# Allegro board meta_module_lay_rev1.brd (continued)
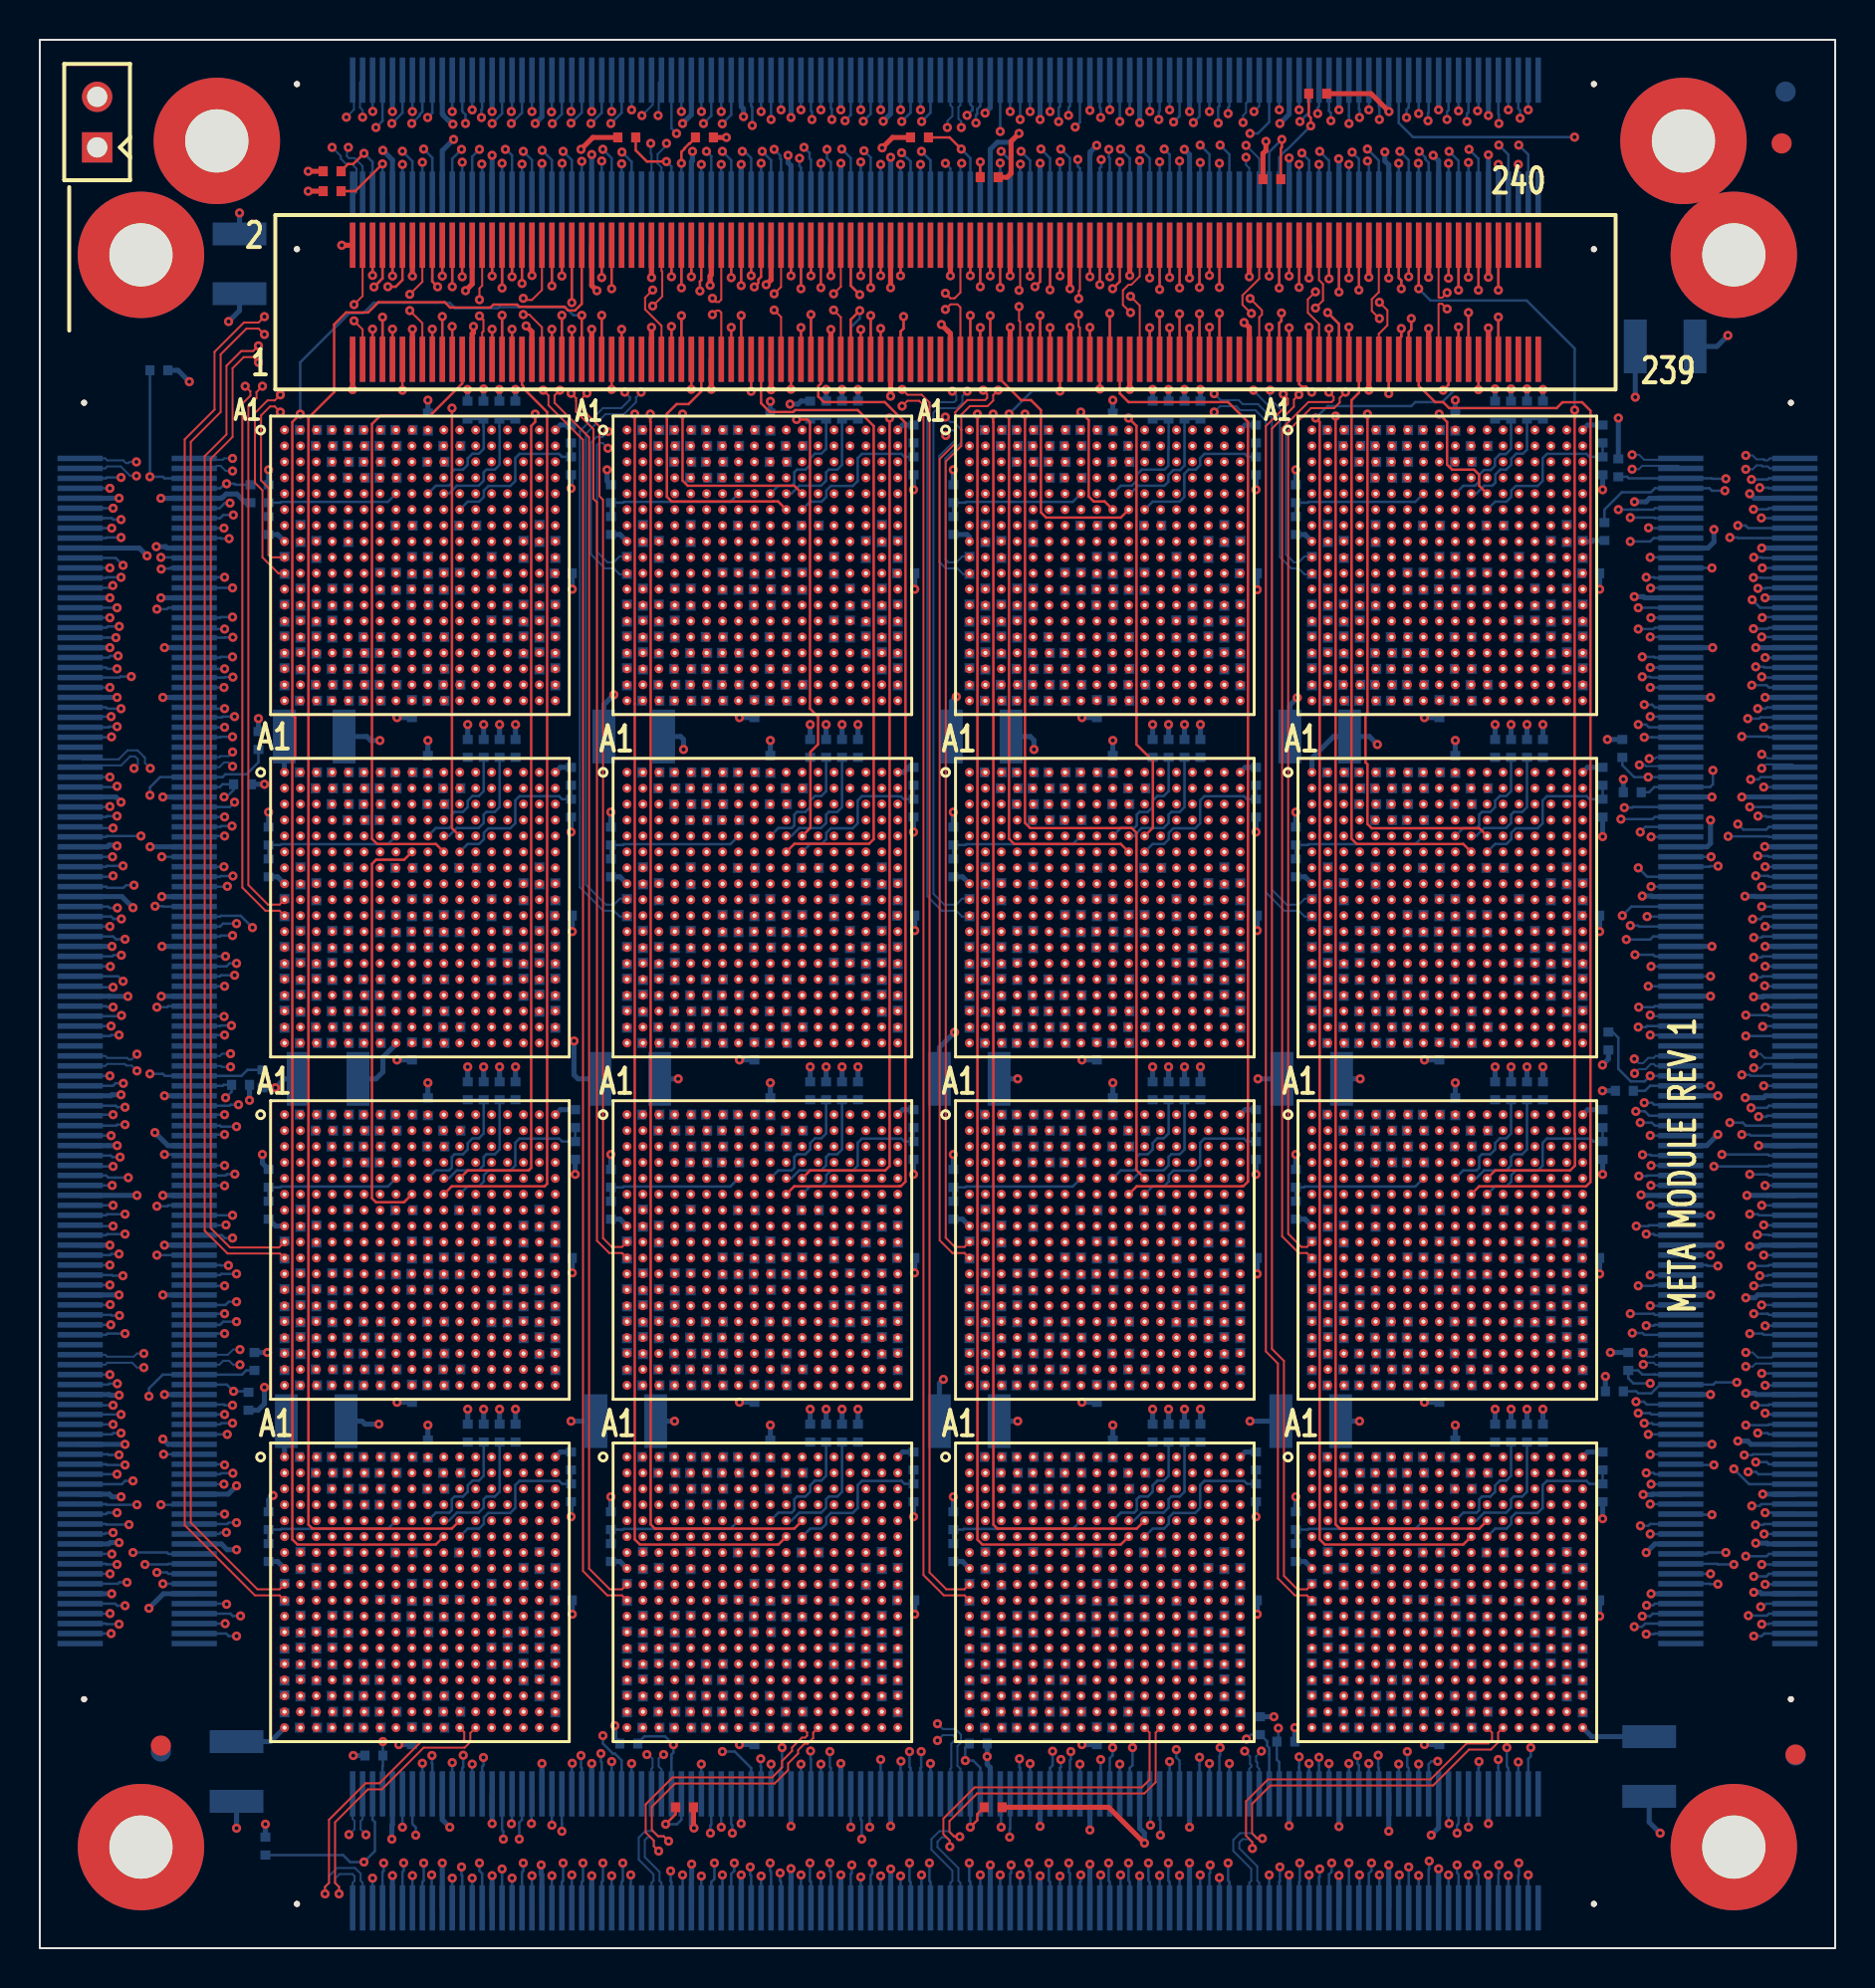
[diagram p0: board, top side]
## Routing (per net, layer and track width the routed paths; a pad name or vN(x,y) marks a point on that pad's centre or on a via; arc(x,y) is an arc through that point) (continued)
  SIGNAL_L3 w0.083: U15.G16 58.3,36.69 58.3,31.33 58.53,31.1 58.81,31.1 59.07,30.84 59.07,30.56 59.33,30.3 64.31,30.3 U13.R2
EW_DATA_P2: length 15.7
  SIGNAL_L6 w0.083: U7.P3 47.89,65.48 47.35,65.48 47.11,65.72 47.11,70.84 47.35,71.08 47.69,71.08 47.89,71.28 47.89,73.27 47.68,73.48 46.08,73.48 45.88,73.28 44.88,73.28 44.28,72.68 42.69,72.68 U1.F17
EW_DATA_P2_SNOW4-1: length 15.7
  SIGNAL_L6 w0.083: U3.F17 25.49,72.68 27.08,72.68 27.68,73.28 28.68,73.28 28.88,73.48 30.48,73.48 30.69,73.27 30.69,71.28 30.49,71.08 30.15,71.08 29.91,70.84 29.91,65.72 30.15,65.48 30.69,65.48 U1.P3
EW_DATA_P2_SNOW4-2: length 15.7
  SIGNAL_L6 w0.083: U5.P3 65.09,65.48 64.55,65.48 64.31,65.72 64.31,70.84 64.55,71.08 64.89,71.08 65.09,71.28 65.09,73.27 64.88,73.48 63.28,73.48 63.08,73.28 62.08,73.28 61.48,72.68 59.89,72.68 U7.F17
EW_DATA_P2_SNOW4-3: length 15.7
  SIGNAL_L6 w0.083: U11.F17 25.49,38.28 27.08,38.28 27.68,38.88 28.68,38.88 28.88,39.08 30.48,39.08 30.69,38.87 30.69,36.88 30.49,36.68 30.15,36.68 29.91,36.44 29.91,31.32 30.15,31.08 30.69,31.08 U9.P3
EW_DATA_P2_SNOW4-4: length 15.7
  SIGNAL_L6 w0.083: U13.P3 65.09,31.08 64.55,31.08 64.31,31.32 64.31,36.44 64.55,36.68 64.89,36.68 65.09,36.88 65.09,38.87 64.88,39.08 63.28,39.08 63.08,38.88 62.08,38.88 61.48,38.28 59.89,38.28 U15.F17
EW_DATA_P3: length 13.4
  SIGNAL_L3 w0.083: U7.N4 48.71,66.3 42.93,66.3 42.9,66.32 42.69,66.54 42.69,72.68 U1.E18
EW_DATA_P3_SNOW4-1: length 13.4
  SIGNAL_L3 w0.083: U3.E18 25.49,72.68 25.49,66.54 25.73,66.3 31.51,66.3 U1.N4
EW_DATA_P3_SNOW4-2: length 13.4
  SIGNAL_L3 w0.083: U5.N4 65.91,66.3 60.13,66.3 60.1,66.32 59.89,66.54 59.89,72.68 U7.E18
EW_DATA_P3_SNOW4-3: length 13.4
  SIGNAL_L3 w0.083: U9.N4 31.51,31.9 25.73,31.9 25.7,31.92 25.49,32.14 25.49,38.28 U11.E18
EW_DATA_P3_SNOW4-4: length 13.4
  SIGNAL_L3 w0.083: U15.E18 59.89,38.28 59.89,32.14 60.13,31.9 65.91,31.9 U13.N4
EW_DATA_P4: length 13.4
  SIGNAL_L12 w0.083: U1.F15 41.09,71.88 41.09,65.75 41.34,65.51 41.58,65.51 41.86,65.23 41.86,64.99 42.17,64.68 44.68,64.68 45.87,65.87 46.31,65.87 46.32,65.88 U7.P1
EW_DATA_P4_SNOW4-1: length 13.4
  SIGNAL_L12 w0.083: U1.P1 29.12,65.88 29.11,65.87 28.67,65.87 27.48,64.68 24.97,64.68 24.66,64.99 24.66,65.23 24.38,65.51 24.14,65.51 23.89,65.75 23.89,71.88 U3.F15
EW_DATA_P4_SNOW4-2: length 13.4
  SIGNAL_L12 w0.083: U5.P1 63.52,65.88 63.51,65.87 63.07,65.87 61.88,64.68 59.37,64.68 59.06,64.99 59.06,65.23 58.78,65.51 58.54,65.51 58.29,65.75 58.29,71.88 U7.F15
EW_DATA_P4_SNOW4-3: length 13.4
  SIGNAL_L12 w0.083: U9.P1 29.12,31.48 29.11,31.47 28.67,31.47 27.48,30.28 24.97,30.28 24.66,30.59 24.66,30.83 24.38,31.11 24.14,31.11 23.89,31.35 23.89,37.48 U11.F15
EW_DATA_P4_SNOW4-4: length 13.4
  SIGNAL_L12 w0.083: U13.P1 63.52,31.48 63.51,31.47 63.07,31.47 61.88,30.28 59.37,30.28 59.06,30.59 59.06,30.83 58.78,31.11 58.54,31.11 58.29,31.35 58.29,37.48 U15.F15
EW_DATA_P5: length 12.8
  SIGNAL_L12 w0.083: U7.N2 47.11,67.06 45.66,67.06 44.88,66.28 42.97,66.28 42.66,66.59 42.66,72.51 42.48,72.69 41.88,72.69 U1.E16
EW_DATA_P5_SNOW4-1: length 12.8
  SIGNAL_L12 w0.083: U3.E16 24.68,72.69 25.28,72.69 25.46,72.51 25.46,66.59 25.77,66.28 27.68,66.28 28.46,67.06 29.91,67.06 U1.N2
EW_DATA_P5_SNOW4-2: length 12.8
  SIGNAL_L12 w0.083: U7.E16 59.08,72.69 59.68,72.69 59.86,72.51 59.86,66.59 60.17,66.28 62.08,66.28 62.86,67.06 64.31,67.06 U5.N2
EW_DATA_P5_SNOW4-3: length 12.8
  SIGNAL_L12 w0.083: U11.E16 24.68,38.29 25.28,38.29 25.46,38.11 25.46,32.19 25.77,31.88 27.68,31.88 28.46,32.66 29.91,32.66 U9.N2
EW_DATA_P5_SNOW4-4: length 12.8
  SIGNAL_L12 w0.083: U13.N2 64.31,32.66 62.86,32.66 62.08,31.88 60.17,31.88 59.86,32.19 59.86,38.11 59.68,38.29 59.08,38.29 U15.E16
EW_DATA_P6: length 15.5
  SIGNAL_L6 w0.083: U1.D17 42.69,74.28 44.48,74.28 45.28,75.08 47.63,75.08 47.88,74.83 47.88,74.55 48.15,74.28 48.48,74.28 48.68,74.08 48.68,73.68 48.88,73.48 49.28,73.48 49.48,73.28 49.48,67.99 49.37,67.88 48.69,67.88 U7.M3
EW_DATA_P6_SNOW4-1: length 15.4
  SIGNAL_L6 w0.083: U3.D17 25.49,74.28 27.28,74.28 27.99,74.99 28.69,74.99 28.78,75.08 30.43,75.08 30.68,74.83 30.68,74.55 30.95,74.28 31.28,74.28 31.48,74.08 31.48,73.68 31.68,73.48 32.08,73.48 32.28,73.28 32.28,68.15 32.01,67.88 31.49,67.88 U1.M3
EW_DATA_P6_SNOW4-2: length 15.5
  SIGNAL_L6 w0.083: U7.D17 59.89,74.28 61.68,74.28 62.48,75.08 64.83,75.08 65.08,74.83 65.08,74.55 65.35,74.28 65.68,74.28 65.88,74.08 65.88,73.68 66.08,73.48 66.48,73.48 66.68,73.28 66.68,67.99 66.57,67.88 65.89,67.88 U5.M3
EW_DATA_P6_SNOW4-3: length 15.5
  SIGNAL_L6 w0.083: U11.D17 25.49,39.88 27.28,39.88 28.08,40.68 30.43,40.68 30.68,40.43 30.68,40.15 30.95,39.88 31.28,39.88 31.48,39.68 31.48,39.28 31.68,39.08 32.08,39.08 32.28,38.88 32.28,33.59 32.17,33.48 31.49,33.48 U9.M3
EW_DATA_P6_SNOW4-4: length 15.5
  SIGNAL_L6 w0.083: U13.M3 65.89,33.48 66.57,33.48 66.68,33.59 66.68,38.88 66.48,39.08 66.08,39.08 65.88,39.28 65.88,39.68 65.68,39.88 65.35,39.88 65.08,40.15 65.08,40.43 64.83,40.68 62.48,40.68 61.68,39.88 59.89,39.88 U15.D17
EW_DATA_P7: length 11.3
  SIGNAL_L12 w0.083: U7.L4 48.71,68.66 48.71,73.19 48.42,73.48 45.76,73.48 45.17,73.48 44.38,74.27 44.22,74.27 43.88,74.27 43.47,74.68 U1.C18
EW_DATA_P7_SNOW4-1: length 11.3
  SIGNAL_L12 w0.083: U1.L4 31.51,68.66 31.51,73.19 31.22,73.48 28.56,73.48 27.97,73.48 26.77,74.68 26.26,74.68 U3.C18
EW_DATA_P7_SNOW4-2: length 11.3
  SIGNAL_L12 w0.083: U5.L4 65.91,68.66 65.91,73.19 65.62,73.48 62.96,73.48 62.88,73.48 61.68,74.68 60.66,74.68 U7.C18
EW_DATA_P7_SNOW4-3: length 11.3
  SIGNAL_L12 w0.083: U11.C18 26.27,40.28 26.68,39.87 27.02,39.87 27.18,39.87 27.97,39.08 28.56,39.08 31.22,39.08 31.51,38.79 31.51,34.26 U9.L4
EW_DATA_P7_SNOW4-4: length 11.3
  SIGNAL_L12 w0.083: U13.L4 65.91,34.26 65.91,38.79 65.62,39.08 62.96,39.08 62.37,39.08 61.58,39.87 61.42,39.87 61.08,39.87 60.67,40.28 U15.C18
EW_DATA_P8: length 10.3
  SIGNAL_L6 w0.083: U2.H15 41.07,53.1 43.46,53.1 44.48,52.08 44.48,49.29 U8.T1
EW_DATA_P8_SNOW4-1: length 10.3
  SIGNAL_L6 w0.083: U2.T1 27.28,49.29 27.28,52.08 26.26,53.1 23.87,53.1 U4.H15
EW_DATA_P8_SNOW4-2: length 10.3
  SIGNAL_L6 w0.083: U8.H15 58.27,53.1 60.66,53.1 61.68,52.08 61.68,49.29 U6.T1
EW_DATA_P8_SNOW4-3: length 10.6
  SIGNAL_L6 w0.083: U12.H15 23.87,18.7 26.26,18.7 27.28,17.68 27.28,14.28 28.88,12.68 U10.T1
EW_DATA_P8_SNOW4-4: length 10.6
  SIGNAL_L6 w0.083: U14.T1 63.28,12.68 61.68,14.28 61.68,17.68 60.66,18.7 58.27,18.7 U16.H15
EW_DATA_P9: length 13.1
  SIGNAL_L3 w0.083: U8.R2 47.11,47.5 42.13,47.5 42.1,47.52 41.87,47.76 41.87,48.04 41.61,48.3 41.33,48.3 41.1,48.53 41.1,53.89 U2.G16
EW_DATA_P9_SNOW4-1: length 13.1
  SIGNAL_L3 w0.083: U4.G16 23.9,53.89 23.9,48.53 24.13,48.3 24.41,48.3 24.67,48.04 24.67,47.76 24.93,47.5 29.91,47.5 U2.R2
EW_DATA_P9_SNOW4-2: length 13.1
  SIGNAL_L3 w0.083: U6.R2 64.31,47.5 59.33,47.5 59.3,47.52 59.07,47.76 59.07,48.04 58.81,48.3 58.53,48.3 58.3,48.53 58.3,53.89 U8.G16
EW_DATA_P9_SNOW4-3: length 13.1
  SIGNAL_L3 w0.083: U12.G16 23.9,19.49 23.9,14.13 24.13,13.9 24.41,13.9 24.67,13.64 24.67,13.36 24.93,13.1 29.91,13.1 U10.R2
EW_DATA_P9_SNOW4-4: length 13.1
  SIGNAL_L3 w0.083: U14.R2 64.31,13.1 59.33,13.1 59.3,13.12 59.07,13.36 59.07,13.64 58.81,13.9 58.53,13.9 58.3,14.13 58.3,19.49 U16.G16
EW_DATA_P10: length 15.7
  SIGNAL_L6 w0.083: U8.P3 47.89,48.28 47.35,48.28 47.11,48.52 47.11,53.64 47.35,53.88 47.69,53.88 47.89,54.08 47.89,56.07 47.68,56.28 46.08,56.28 45.88,56.08 44.88,56.08 44.28,55.48 42.69,55.48 U2.F17
EW_DATA_P10_SNOW4-1: length 15.7
  SIGNAL_L6 w0.083: U4.F17 25.49,55.48 27.08,55.48 27.68,56.08 28.68,56.08 28.88,56.28 30.48,56.28 30.69,56.07 30.69,54.08 30.49,53.88 30.15,53.88 29.91,53.64 29.91,48.52 30.15,48.28 30.69,48.28 U2.P3
EW_DATA_P10_SNOW4-2: length 15.7
  SIGNAL_L6 w0.083: U8.F17 59.89,55.48 61.48,55.48 62.08,56.08 63.08,56.08 63.28,56.28 64.88,56.28 65.09,56.07 65.09,54.08 64.89,53.88 64.55,53.88 64.31,53.64 64.31,48.52 64.55,48.28 65.09,48.28 U6.P3
EW_DATA_P10_SNOW4-3: length 15.7
  SIGNAL_L6 w0.083: U10.P3 30.69,13.88 30.15,13.88 29.91,14.12 29.91,19.24 30.15,19.48 30.49,19.48 30.69,19.68 30.69,21.67 30.48,21.88 28.88,21.88 28.68,21.68 27.68,21.68 27.08,21.08 25.49,21.08 U12.F17
EW_DATA_P10_SNOW4-4: length 15.7
  SIGNAL_L6 w0.083: U14.P3 65.09,13.88 64.55,13.88 64.31,14.12 64.31,19.24 64.55,19.48 64.89,19.48 65.09,19.68 65.09,21.67 64.88,21.88 63.28,21.88 63.08,21.68 62.08,21.68 61.48,21.08 59.89,21.08 U16.F17
EW_DATA_P11: length 13.4
  SIGNAL_L3 w0.083: U8.N4 48.71,49.1 42.93,49.1 42.9,49.12 42.69,49.34 42.69,55.48 U2.E18
EW_DATA_P11_SNOW4-1: length 13.4
  SIGNAL_L3 w0.083: U4.E18 25.49,55.48 25.49,49.34 25.73,49.1 31.51,49.1 U2.N4
EW_DATA_P11_SNOW4-2: length 13.4
  SIGNAL_L3 w0.083: U6.N4 65.91,49.1 60.13,49.1 60.1,49.12 59.89,49.34 59.89,55.48 U8.E18
EW_DATA_P11_SNOW4-3: length 13.4
  SIGNAL_L3 w0.083: U10.N4 31.51,14.7 25.73,14.7 25.7,14.72 25.49,14.94 25.49,21.08 U12.E18
EW_DATA_P11_SNOW4-4: length 13.4
  SIGNAL_L3 w0.083: U14.N4 65.91,14.7 60.13,14.7 60.1,14.72 59.89,14.94 59.89,21.08 U16.E18
EW_DATA_P12: length 13.4
  SIGNAL_L12 w0.083: U8.P1 46.32,48.68 46.31,48.67 45.87,48.67 44.68,47.48 42.17,47.48 41.86,47.79 41.86,48.03 41.58,48.31 41.34,48.31 41.09,48.55 41.09,54.68 U2.F15
EW_DATA_P12_SNOW4-1: length 13.4
  SIGNAL_L12 w0.083: U2.P1 29.12,48.68 29.11,48.67 28.67,48.67 27.48,47.48 24.97,47.48 24.66,47.79 24.66,48.03 24.38,48.31 24.14,48.31 23.89,48.55 23.89,54.68 U4.F15
EW_DATA_P12_SNOW4-2: length 13.4
  SIGNAL_L12 w0.083: U8.F15 58.29,54.68 58.29,48.55 58.54,48.31 58.78,48.31 59.06,48.03 59.06,47.79 59.37,47.48 61.88,47.48 63.07,48.67 63.51,48.67 63.52,48.68 U6.P1
EW_DATA_P12_SNOW4-3: length 13.4
  SIGNAL_L12 w0.083: U10.P1 29.12,14.28 29.11,14.27 28.67,14.27 27.48,13.08 24.97,13.08 24.66,13.39 24.66,13.63 24.38,13.91 24.14,13.91 23.89,14.15 23.89,20.28 U12.F15
EW_DATA_P12_SNOW4-4: length 13.4
  SIGNAL_L12 w0.083: U14.P1 63.52,14.28 63.51,14.27 63.07,14.27 61.88,13.08 59.37,13.08 59.06,13.39 59.06,13.63 58.78,13.91 58.54,13.91 58.29,14.15 58.29,20.28 U16.F15
EW_DATA_P13: length 12.8
  SIGNAL_L12 w0.083: U8.N2 47.11,49.86 45.66,49.86 44.88,49.08 42.97,49.08 42.66,49.39 42.66,55.31 42.48,55.49 41.88,55.49 U2.E16
EW_DATA_P13_SNOW4-1: length 12.8
  SIGNAL_L12 w0.083: U4.E16 24.68,55.49 25.28,55.49 25.46,55.31 25.46,49.39 25.77,49.08 27.68,49.08 28.46,49.86 29.91,49.86 U2.N2
EW_DATA_P13_SNOW4-2: length 12.8
  SIGNAL_L12 w0.083: U8.E16 59.08,55.49 59.68,55.49 59.86,55.31 59.86,49.39 60.17,49.08 62.08,49.08 62.86,49.86 64.31,49.86 U6.N2
EW_DATA_P13_SNOW4-3: length 12.8
  SIGNAL_L12 w0.083: U12.E16 24.68,21.09 25.28,21.09 25.46,20.91 25.46,14.99 25.77,14.68 27.68,14.68 28.46,15.46 29.91,15.46 U10.N2
EW_DATA_P13_SNOW4-4: length 12.8
  SIGNAL_L12 w0.083: U14.N2 64.31,15.46 62.86,15.46 62.08,14.68 60.17,14.68 59.86,14.99 59.86,20.91 59.68,21.09 59.08,21.09 U16.E16
EW_DATA_P14: length 15.5
  SIGNAL_L6 w0.083: U2.D17 42.69,57.08 44.48,57.08 45.28,57.88 47.63,57.88 47.88,57.63 47.88,57.35 48.15,57.08 48.48,57.08 48.68,56.88 48.68,56.48 48.88,56.28 49.28,56.28 49.48,56.08 49.48,50.79 49.37,50.68 48.69,50.68 U8.M3
EW_DATA_P14_SNOW4-1: length 15.5
  SIGNAL_L6 w0.083: U4.D17 25.49,57.08 27.28,57.08 28.08,57.88 30.43,57.88 30.68,57.63 30.68,57.35 30.95,57.08 31.28,57.08 31.48,56.88 31.48,56.48 31.68,56.28 32.08,56.28 32.28,56.08 32.28,50.79 32.17,50.68 31.49,50.68 U2.M3
EW_DATA_P14_SNOW4-2: length 15.5
  SIGNAL_L6 w0.083: U6.M3 65.89,50.68 66.57,50.68 66.68,50.79 66.68,56.08 66.48,56.28 66.08,56.28 65.88,56.48 65.88,56.88 65.68,57.08 65.35,57.08 65.08,57.35 65.08,57.63 64.83,57.88 62.48,57.88 61.68,57.08 59.89,57.08 U8.D17
EW_DATA_P14_SNOW4-3: length 15.5
  SIGNAL_L6 w0.083: U10.M3 31.49,16.28 32.17,16.28 32.28,16.39 32.28,21.68 32.08,21.88 31.68,21.88 31.48,22.08 31.48,22.48 31.28,22.68 30.95,22.68 30.68,22.95 30.68,23.23 30.43,23.48 28.08,23.48 27.28,22.68 25.49,22.68 U12.D17
EW_DATA_P14_SNOW4-4: length 15.5
  SIGNAL_L6 w0.083: U16.D17 59.89,22.68 61.68,22.68 62.48,23.48 64.83,23.48 65.08,23.23 65.08,22.95 65.35,22.68 65.68,22.68 65.88,22.48 65.88,22.08 66.08,21.88 66.48,21.88 66.68,21.68 66.68,16.39 66.57,16.28 65.89,16.28 U14.M3
EW_DATA_P15: length 11.3
  SIGNAL_L12 w0.083: U8.L4 48.71,51.46 48.71,55.99 48.42,56.28 45.76,56.28 45.17,56.28 44.38,57.07 44.22,57.07 43.88,57.07 43.47,57.48 U2.C18
EW_DATA_P15_SNOW4-1: length 11.3
  SIGNAL_L12 w0.083: U4.C18 26.27,57.48 26.68,57.07 27.02,57.07 27.18,57.07 27.97,56.28 28.56,56.28 31.22,56.28 31.51,55.99 31.51,51.46 U2.L4
EW_DATA_P15_SNOW4-2: length 11.3
  SIGNAL_L12 w0.083: U6.L4 65.91,51.46 65.91,55.99 65.62,56.28 62.96,56.28 62.37,56.28 61.58,57.07 61.42,57.07 61.08,57.07 60.67,57.48 U8.C18
EW_DATA_P15_SNOW4-3: length 11.3
  SIGNAL_L12 w0.083: U12.C18 26.27,23.08 26.68,22.67 27.02,22.67 27.18,22.67 27.97,21.88 28.56,21.88 31.22,21.88 31.51,21.59 31.51,17.06 U10.L4
EW_DATA_P15_SNOW4-4: length 11.3
  SIGNAL_L12 w0.083: U14.L4 65.91,17.06 65.91,21.59 65.62,21.88 62.96,21.88 62.37,21.88 61.58,22.67 61.42,22.67 61.08,22.67 60.67,23.08 U16.C18
EW_DATA_P16: length 10.3
  SIGNAL_L6 w0.083: U9.H15 41.07,35.9 43.46,35.9 44.48,34.88 44.48,32.09 U15.T1
EW_DATA_P17: length 13.1
  SIGNAL_L3 w0.083: U15.R2 47.11,30.3 42.13,30.3 42.1,30.32 41.87,30.56 41.87,30.84 41.61,31.1 41.33,31.1 41.1,31.33 41.1,36.69 U9.G16
EW_DATA_P18: length 15.7
  SIGNAL_L6 w0.083: U9.F17 42.69,38.28 44.28,38.28 44.88,38.88 45.88,38.88 46.08,39.08 47.68,39.08 47.89,38.87 47.89,36.88 47.69,36.68 47.35,36.68 47.11,36.44 47.11,31.32 47.35,31.08 47.89,31.08 U15.P3
EW_DATA_P19: length 13.4
  SIGNAL_L3 w0.083: U9.E18 42.69,38.28 42.69,32.14 42.93,31.9 48.71,31.9 U15.N4
EW_DATA_P20: length 13.4
  SIGNAL_L12 w0.083: U15.P1 46.32,31.48 46.31,31.47 45.87,31.47 44.68,30.28 42.17,30.28 41.86,30.59 41.86,30.83 41.58,31.11 41.34,31.11 41.09,31.35 41.09,37.48 U9.F15
EW_DATA_P21: length 12.8
  SIGNAL_L12 w0.083: U9.E16 41.88,38.29 42.48,38.29 42.66,38.11 42.66,32.19 42.97,31.88 44.88,31.88 45.66,32.66 47.11,32.66 U15.N2
EW_DATA_P22: length 15.5
  SIGNAL_L6 w0.083: U15.M3 48.69,33.48 49.37,33.48 49.48,33.59 49.48,38.88 49.28,39.08 48.88,39.08 48.68,39.28 48.68,39.68 48.48,39.88 48.15,39.88 47.88,40.15 47.88,40.43 47.63,40.68 45.28,40.68 44.48,39.88 42.69,39.88 U9.D17
EW_DATA_P23: length 11.3
  SIGNAL_L12 w0.083: U15.L4 48.71,34.26 48.71,38.79 48.42,39.08 45.76,39.08 45.17,39.08 44.38,39.87 44.22,39.87 43.88,39.87 43.47,40.28 U9.C18
EW_DATA_P24: length 10.6
  SIGNAL_L6 w0.083: U16.T1 46.08,12.68 44.48,14.28 44.48,17.68 43.46,18.7 41.07,18.7 U10.H15
EW_DATA_P25: length 13.1
  SIGNAL_L3 w0.083: U16.R2 47.11,13.1 42.13,13.1 42.1,13.12 41.87,13.36 41.87,13.64 41.61,13.9 41.33,13.9 41.1,14.13 41.1,19.49 U10.G16
EW_DATA_P26: length 15.7
  SIGNAL_L6 w0.083: U10.F17 42.69,21.08 44.28,21.08 44.88,21.68 45.88,21.68 46.08,21.88 47.68,21.88 47.89,21.67 47.89,19.68 47.69,19.48 47.35,19.48 47.11,19.24 47.11,14.12 47.35,13.88 47.89,13.88 U16.P3
EW_DATA_P27: length 13.4
  SIGNAL_L3 w0.083: U16.N4 48.71,14.7 42.93,14.7 42.9,14.72 42.69,14.94 42.69,21.08 U10.E18
EW_DATA_P28: length 13.4
  SIGNAL_L12 w0.083: U10.F15 41.09,20.28 41.09,14.15 41.34,13.91 41.58,13.91 41.86,13.63 41.86,13.39 42.17,13.08 44.68,13.08 45.87,14.27 46.31,14.27 46.32,14.28 U16.P1
EW_DATA_P29: length 12.8
  SIGNAL_L12 w0.083: U10.E16 41.88,21.09 42.48,21.09 42.66,20.91 42.66,14.99 42.97,14.68 44.88,14.68 45.66,15.46 47.11,15.46 U16.N2
EW_DATA_P30: length 15.5
  SIGNAL_L6 w0.083: U10.D17 42.69,22.68 44.48,22.68 45.28,23.48 47.63,23.48 47.88,23.23 47.88,22.95 48.15,22.68 48.48,22.68 48.68,22.48 48.68,22.08 48.88,21.88 49.28,21.88 49.48,21.68 49.48,16.39 49.37,16.28 48.69,16.28 U16.M3
EW_DATA_P31: length 11.3
  SIGNAL_L12 w0.083: U10.C18 43.47,23.08 43.88,22.67 44.22,22.67 44.38,22.67 45.17,21.88 45.76,21.88 48.42,21.88 48.71,21.59 48.71,17.06 U16.L4
EW_FRAME_N0: length 10.2
  SIGNAL_L10 w0.083: U7.M2 47.1,67.09 40.56,67.09 40.29,67.35 40.29,69.48 U1.J15
EW_FRAME_N0_SNOW4-1: length 10.2
  SIGNAL_L10 w0.083: U3.J15 23.09,69.48 23.09,67.35 23.36,67.09 29.9,67.09 U1.M2
EW_FRAME_N0_SNOW4-2: length 10.2
  SIGNAL_L10 w0.083: U7.J15 57.49,69.48 57.49,67.35 57.76,67.09 64.3,67.09 U5.M2
EW_FRAME_N0_SNOW4-3: length 10.2
  SIGNAL_L10 w0.083: U11.J15 23.09,35.08 23.09,32.95 23.36,32.69 29.9,32.69 U9.M2
EW_FRAME_N0_SNOW4-4: length 10.2
  SIGNAL_L10 w0.083: U13.M2 64.3,32.69 57.76,32.69 57.49,32.95 57.49,35.08 U15.J15
EW_FRAME_N1: length 10.2
  SIGNAL_L10 w0.083: U8.M2 47.1,49.89 40.56,49.89 40.29,50.15 40.29,52.28 U2.J15
EW_FRAME_N1_SNOW4-1: length 10.2
  SIGNAL_L10 w0.083: U4.J15 23.09,52.28 23.09,50.15 23.36,49.89 29.9,49.89 U2.M2
EW_FRAME_N1_SNOW4-2: length 10.2
  SIGNAL_L10 w0.083: U6.M2 64.3,49.89 57.76,49.89 57.49,50.15 57.49,52.28 U8.J15
EW_FRAME_N1_SNOW4-3: length 10.2
  SIGNAL_L10 w0.083: U12.J15 23.09,17.88 23.09,15.75 23.36,15.49 29.9,15.49 U10.M2
EW_FRAME_N1_SNOW4-4: length 10.2
  SIGNAL_L10 w0.083: U14.M2 64.3,15.49 57.76,15.49 57.49,15.75 57.49,17.88 U16.J15
EW_FRAME_N2: length 10.2
  SIGNAL_L10 w0.083: U9.J15 40.29,35.08 40.29,32.95 40.56,32.69 47.1,32.69 U15.M2
EW_FRAME_N3: length 10.2
  SIGNAL_L10 w0.083: U10.J15 40.29,17.88 40.29,15.75 40.56,15.49 47.1,15.49 U16.M2
EW_FRAME_P0: length 7.8
  SIGNAL_L10 w0.083: U1.K15 41.09,68.68 41.09,68.15 41.36,67.89 47.1,67.89 U7.L2
EW_FRAME_P0_SNOW4-1: length 7.8
  SIGNAL_L10 w0.083: U1.L2 29.9,67.89 24.16,67.89 23.89,68.15 23.89,68.68 U3.K15
EW_FRAME_P0_SNOW4-2: length 7.8
  SIGNAL_L10 w0.083: U7.K15 58.29,68.68 58.29,68.15 58.56,67.89 64.3,67.89 U5.L2
EW_FRAME_P0_SNOW4-3: length 7.8
  SIGNAL_L10 w0.083: U11.K15 23.89,34.28 23.89,33.75 24.16,33.49 29.9,33.49 U9.L2
EW_FRAME_P0_SNOW4-4: length 7.8
  SIGNAL_L10 w0.083: U13.L2 64.3,33.49 58.56,33.49 58.29,33.75 58.29,34.28 U15.K15
EW_FRAME_P1: length 7.8
  SIGNAL_L10 w0.083: U8.L2 47.1,50.69 41.36,50.69 41.09,50.95 41.09,51.48 U2.K15
EW_FRAME_P1_SNOW4-1: length 7.8
  SIGNAL_L10 w0.083: U4.K15 23.89,51.48 23.89,50.95 24.16,50.69 29.9,50.69 U2.L2
EW_FRAME_P1_SNOW4-2: length 7.8
  SIGNAL_L10 w0.083: U6.L2 64.3,50.69 58.56,50.69 58.29,50.95 58.29,51.48 U8.K15
EW_FRAME_P1_SNOW4-3: length 7.8
  SIGNAL_L10 w0.083: U10.L2 29.9,16.29 24.16,16.29 23.89,16.55 23.89,17.08 U12.K15
EW_FRAME_P1_SNOW4-4: length 7.8
  SIGNAL_L10 w0.083: U16.K15 58.29,17.08 58.29,16.55 58.56,16.29 64.3,16.29 U14.L2
EW_FRAME_P2: length 7.8
  SIGNAL_L10 w0.083: U15.L2 47.1,33.49 41.36,33.49 41.09,33.75 41.09,34.28 U9.K15
EW_FRAME_P3: length 7.8
  SIGNAL_L10 w0.083: U16.L2 47.1,16.29 41.36,16.29 41.09,16.55 41.09,17.08 U10.K15
EW_LCK_N0: length 8
  SIGNAL_L3 w0.081: U7.N1 46.69,66.88 47.06,67.25 47.06,67.63 46.81,67.88 46.31,67.88 44.81,69.37 44.81,71.02 43.75,72.08 43.29,72.08 U1.F18
EW_LCK_N1: length 8
  SIGNAL_L3 w0.081: U2.F18 43.34,54.83 44.03,54.83 44.84,54.02 44.84,52.32 46.48,50.68 46.83,50.68 47.07,50.44 47.07,49.86 U8.N1
EW_LCK_P0: length 6.4
  SIGNAL_L3 w0.081: U1.G18 43.36,71.75 43.61,71.75 44.48,70.88 44.48,69.24 46.24,67.48 U7.M1
EW_LCK_P1: length 6.5
  SIGNAL_L3 w0.081: U8.M1 R429.1 46.67,50.35 46.34,50.35 44.51,52.19 44.51,53.89 43.89,54.5 43.31,54.5 U2.G18
EW_LCLK_N0_SNOW4-1: length 8
  SIGNAL_L3 w0.081: U3.F18 26.11,72.06 26.87,72.06 27.88,71.05 27.88,69.28 29.31,67.85 29.64,67.85 29.86,67.63 29.86,67.33 29.49,66.96 U1.N1
EW_LCLK_N0_SNOW4-2: length 7.9
  SIGNAL_L3 w0.081: U5.N1 64.26,67.05 64.26,67.63 64.03,67.86 63.7,67.86 61.58,69.98 61.58,71.48 61.01,72.05 60.53,72.05 U7.F18
EW_LCLK_N0_SNOW4-3: length 8
  SIGNAL_L3 w0.081: U9.N1 29.49,32.49 29.86,32.86 29.86,33.23 29.61,33.48 29.35,33.48 27.61,35.22 27.61,36.97 26.92,37.66 26.11,37.66 U11.F18
EW_LCLK_N0_SNOW4-4: length 8.3
  SIGNAL_L3 w0.081: U15.F18 60.51,37.66 61.17,37.66 61.88,36.95 61.88,34.68 63.11,33.45 64.04,33.45 64.26,33.23 64.26,32.65 U13.N1
EW_LCLK_N1_SNOW4-1: length 8.2
  SIGNAL_L3 w0.081: U4.F18 26.14,54.83 26.8,54.83 27.41,54.22 27.41,52.15 28.91,50.65 29.64,50.65 29.87,50.41 29.87,49.86 U2.N1
EW_LCLK_N1_SNOW4-2: length 8.2
  SIGNAL_L3 w0.081: U8.F18 60.54,54.83 61.4,54.83 62.08,54.15 62.08,52.15 63.58,50.65 64.04,50.65 64.26,50.43 64.26,50.06 63.89,49.69 U6.N1
EW_LCLK_N1_SNOW4-3: length 8.6
  SIGNAL_L3 w0.081: U10.N1 29.49,15.1 29.86,15.46 29.86,16.03 29.64,16.25 28.51,16.25 28.21,16.55 28.21,19.22 26.97,20.46 26.11,20.46 U12.F18
EW_LCLK_N1_SNOW4-4: length 8.2
  SIGNAL_L3 w0.081: U14.N1 64.27,15.46 64.27,16.04 64.05,16.26 63.37,16.26 61.88,17.75 61.88,19.75 61.17,20.46 60.51,20.46 U16.F18
EW_LCLK_N2: length 8
  SIGNAL_L3 w0.081: U9.F18 43.36,37.61 44.02,37.61 45.08,36.55 45.08,34.75 46.37,33.46 46.83,33.46 47.06,33.23 47.06,32.86 46.69,32.49 U15.N1
EW_LCLK_N3: length 8.4
  SIGNAL_L3 w0.081: U10.F18 43.31,20.46 43.97,20.46 45.21,19.22 45.21,16.95 45.95,16.21 46.5,16.21 46.54,16.25 46.86,16.25 47.08,16.03 47.08,15.47 U16.N1
EW_LCLK_P0_SNOW4-1: length 6.5
  SIGNAL_L3 w0.081: U3.G18 26.14,71.73 26.73,71.73 27.55,70.91 27.55,69.14 29.18,67.52 29.45,67.52 U1.M1
EW_LCLK_P0_SNOW4-2: length 6.3
  SIGNAL_L3 w0.081: U5.M1 63.85,67.52 63.78,67.52 63.76,67.53 63.56,67.53 61.25,69.84 61.25,71.34 60.88,71.72 60.53,71.72 U7.G18
EW_LCLK_P0_SNOW4-3: length 6.5
  SIGNAL_L3 w0.081: U9.M1 29.45,33.12 29.44,33.12 29.41,33.15 29.21,33.15 27.28,35.08 27.28,36.83 26.78,37.33 26.14,37.33 U11.G18
EW_LCLK_P0_SNOW4-4: length 6.8
  SIGNAL_L3 w0.081: U13.M1 63.85,33.12 62.98,33.12 61.55,34.54 61.55,36.81 61.03,37.33 60.54,37.33 U15.G18
EW_LCLK_P1_SNOW4-1: length 6.6
  SIGNAL_L3 w0.081: U2.M1 28.81,50.28 27.08,52.01 27.08,54.08 26.66,54.5 26.11,54.5 U4.G18
EW_LCLK_P1_SNOW4-2: length 6.6
  SIGNAL_L3 w0.081: U6.M1 63.48,50.28 61.75,52.01 61.75,54.01 61.26,54.5 60.51,54.5 U8.G18
EW_LCLK_P1_SNOW4-3: length 7
  SIGNAL_L3 w0.081: U10.M1 29.45,15.92 28.38,15.92 27.88,16.41 27.88,19.08 26.83,20.13 26.14,20.13 U12.G18
EW_LCLK_P1_SNOW4-4: length 6.6
  SIGNAL_L3 w0.081: U16.G18 60.54,20.13 61.03,20.13 61.55,19.61 61.55,17.61 63.23,15.93 63.84,15.93 U14.M1
EW_LCLK_P2: length 6.5
  SIGNAL_L3 w0.081: U15.M1 46.28,33.08 44.75,34.61 44.75,36.41 43.88,37.28 43.29,37.28 U9.G18
EW_LCLK_P3: length 6.8
  SIGNAL_L3 w0.081: U16.M1 45.81,15.88 44.88,16.81 44.88,19.08 43.83,20.13 43.34,20.13 U10.G18
EW_WAIT_RD_N0: length 6.2
  SIGNAL_L9 w0.083: U7.H2 47.08,71.09 42.96,71.09 42.69,70.82 42.69,70.29 42.7,70.29 U1.J17
EW_WAIT_RD_N0_SNOW4-1: length 6.2
  SIGNAL_L9 w0.083: U1.H2 29.88,71.09 25.76,71.09 25.49,70.82 25.49,70.29 25.5,70.29 U3.J17
EW_WAIT_RD_N0_SNOW4-2: length 6.2
  SIGNAL_L9 w0.083: U5.H2 64.28,71.09 60.16,71.09 59.89,70.82 59.89,70.29 59.9,70.29 U7.J17
EW_WAIT_RD_N0_SNOW4-3: length 6.2
  SIGNAL_L9 w0.083: U11.J17 25.5,35.89 25.49,35.89 25.49,36.42 25.76,36.69 29.88,36.69 U9.H2
EW_WAIT_RD_N0_SNOW4-4: length 6.2
  SIGNAL_L9 w0.083: U15.J17 59.9,35.89 59.89,35.89 59.89,36.42 60.16,36.69 64.28,36.69 U13.H2
EW_WAIT_RD_N1: length 6.2
  SIGNAL_L9 w0.083: U8.H2 47.08,53.89 42.96,53.89 42.69,53.62 42.69,53.09 42.7,53.09 U2.J17
EW_WAIT_RD_N1_SNOW4-1: length 6.2
  SIGNAL_L9 w0.083: U4.J17 25.5,53.09 25.49,53.09 25.49,53.62 25.76,53.89 29.88,53.89 U2.H2
EW_WAIT_RD_N1_SNOW4-2: length 6.2
  SIGNAL_L9 w0.083: U6.H2 64.28,53.89 60.16,53.89 59.89,53.62 59.89,53.09 59.9,53.09 U8.J17
EW_WAIT_RD_N1_SNOW4-3: length 6.2
  SIGNAL_L9 w0.083: U10.H2 29.88,19.49 25.76,19.49 25.49,19.22 25.49,18.69 25.5,18.69 U12.J17
EW_WAIT_RD_N1_SNOW4-4: length 6.2
  SIGNAL_L9 w0.083: U16.J17 59.9,18.69 59.89,18.69 59.89,19.22 60.16,19.49 64.28,19.49 U14.H2
EW_WAIT_RD_N2: length 6.2
  SIGNAL_L9 w0.083: U15.H2 47.08,36.69 42.96,36.69 42.69,36.42 42.69,35.89 42.7,35.89 U9.J17
EW_WAIT_RD_N3: length 6.2
  SIGNAL_L9 w0.083: U10.J17 42.7,18.69 42.69,18.69 42.69,19.22 42.96,19.49 47.08,19.49 U16.H2
EW_WAIT_RD_P0: length 8.6
  SIGNAL_L9 w0.083: U1.K17 41.89,69.48 41.89,71.62 42.16,71.89 43.48,71.89 ; 43.48,71.89 47.08,71.89 U7.G2 ; 43.48,71.89 43.48,71.88 43.48,71.89
EW_WAIT_RD_P0_SNOW4-1: length 8.6
  SIGNAL_L9 w0.083: 26.28,71.89 29.88,71.89 U1.G2 ; 26.28,71.89 26.28,71.88 26.28,71.89 ; 26.28,71.89 24.96,71.89 24.69,71.62 24.69,69.48 U3.K17
EW_WAIT_RD_P0_SNOW4-2: length 8.6
  SIGNAL_L9 w0.083: 60.68,71.89 60.68,71.88 60.68,71.89 ; 60.68,71.89 59.36,71.89 59.09,71.62 59.09,69.48 U7.K17 ; 60.68,71.89 64.28,71.89 U5.G2
EW_WAIT_RD_P0_SNOW4-3: length 8.6
  SIGNAL_L9 w0.083: 26.28,37.49 26.28,37.48 26.28,37.49 ; 26.28,37.49 29.88,37.49 U9.G2 ; 26.28,37.49 24.96,37.49 24.69,37.22 24.69,35.08 U11.K17
EW_WAIT_RD_P0_SNOW4-4: length 8.6
  SIGNAL_L9 w0.083: 60.68,37.49 60.68,37.48 60.68,37.49 ; 60.68,37.49 64.28,37.49 U13.G2 ; 60.68,37.49 59.36,37.49 59.09,37.22 59.09,35.08 U15.K17
EW_WAIT_RD_P1: length 8.6
  SIGNAL_L9 w0.083: 43.48,54.69 42.16,54.69 41.89,54.42 41.89,52.28 U2.K17 ; 43.48,54.69 43.48,54.68 43.48,54.69 ; 43.48,54.69 47.08,54.69 U8.G2
EW_WAIT_RD_P1_SNOW4-1: length 8.6
  SIGNAL_L9 w0.083: 26.28,54.69 26.28,54.68 26.28,54.69 ; 26.28,54.69 24.96,54.69 24.69,54.42 24.69,52.28 U4.K17 ; 26.28,54.69 29.88,54.69 U2.G2
EW_WAIT_RD_P1_SNOW4-2: length 8.6
  SIGNAL_L9 w0.083: 60.68,54.69 64.28,54.69 U6.G2 ; 60.68,54.69 60.68,54.68 60.68,54.69 ; 60.68,54.69 59.36,54.69 59.09,54.42 59.09,52.28 U8.K17
EW_WAIT_RD_P1_SNOW4-3: length 8.6
  SIGNAL_L9 w0.083: 26.28,20.29 26.28,20.28 26.28,20.29 ; 26.28,20.29 29.88,20.29 U10.G2 ; 26.28,20.29 24.96,20.29 24.69,20.02 24.69,17.88 U12.K17
